# Allegro board R8-DEV-V1.0_FINAL.brd
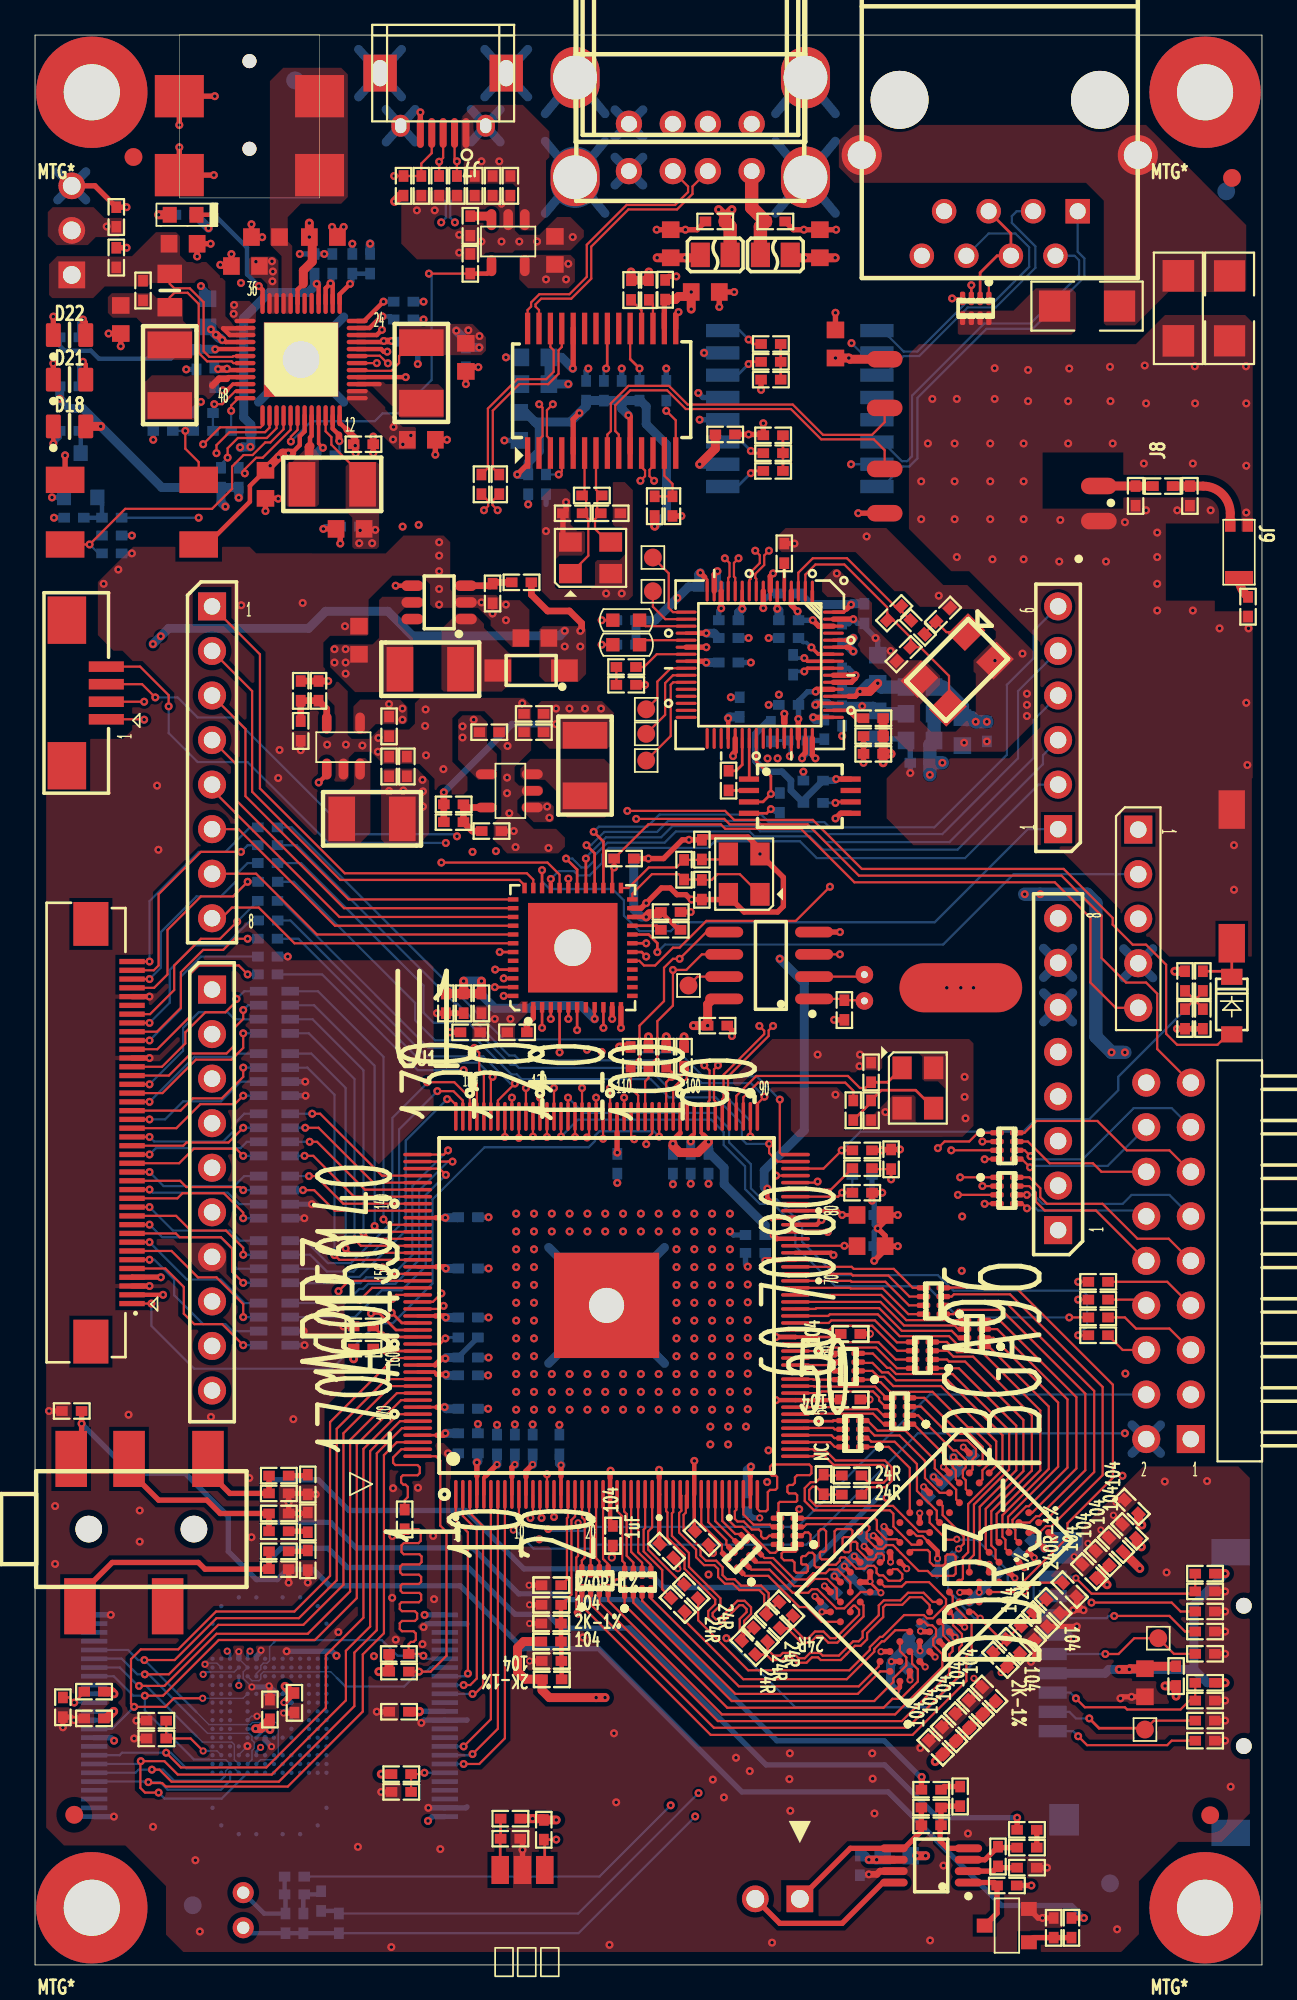
[diagram p0: board, top side]
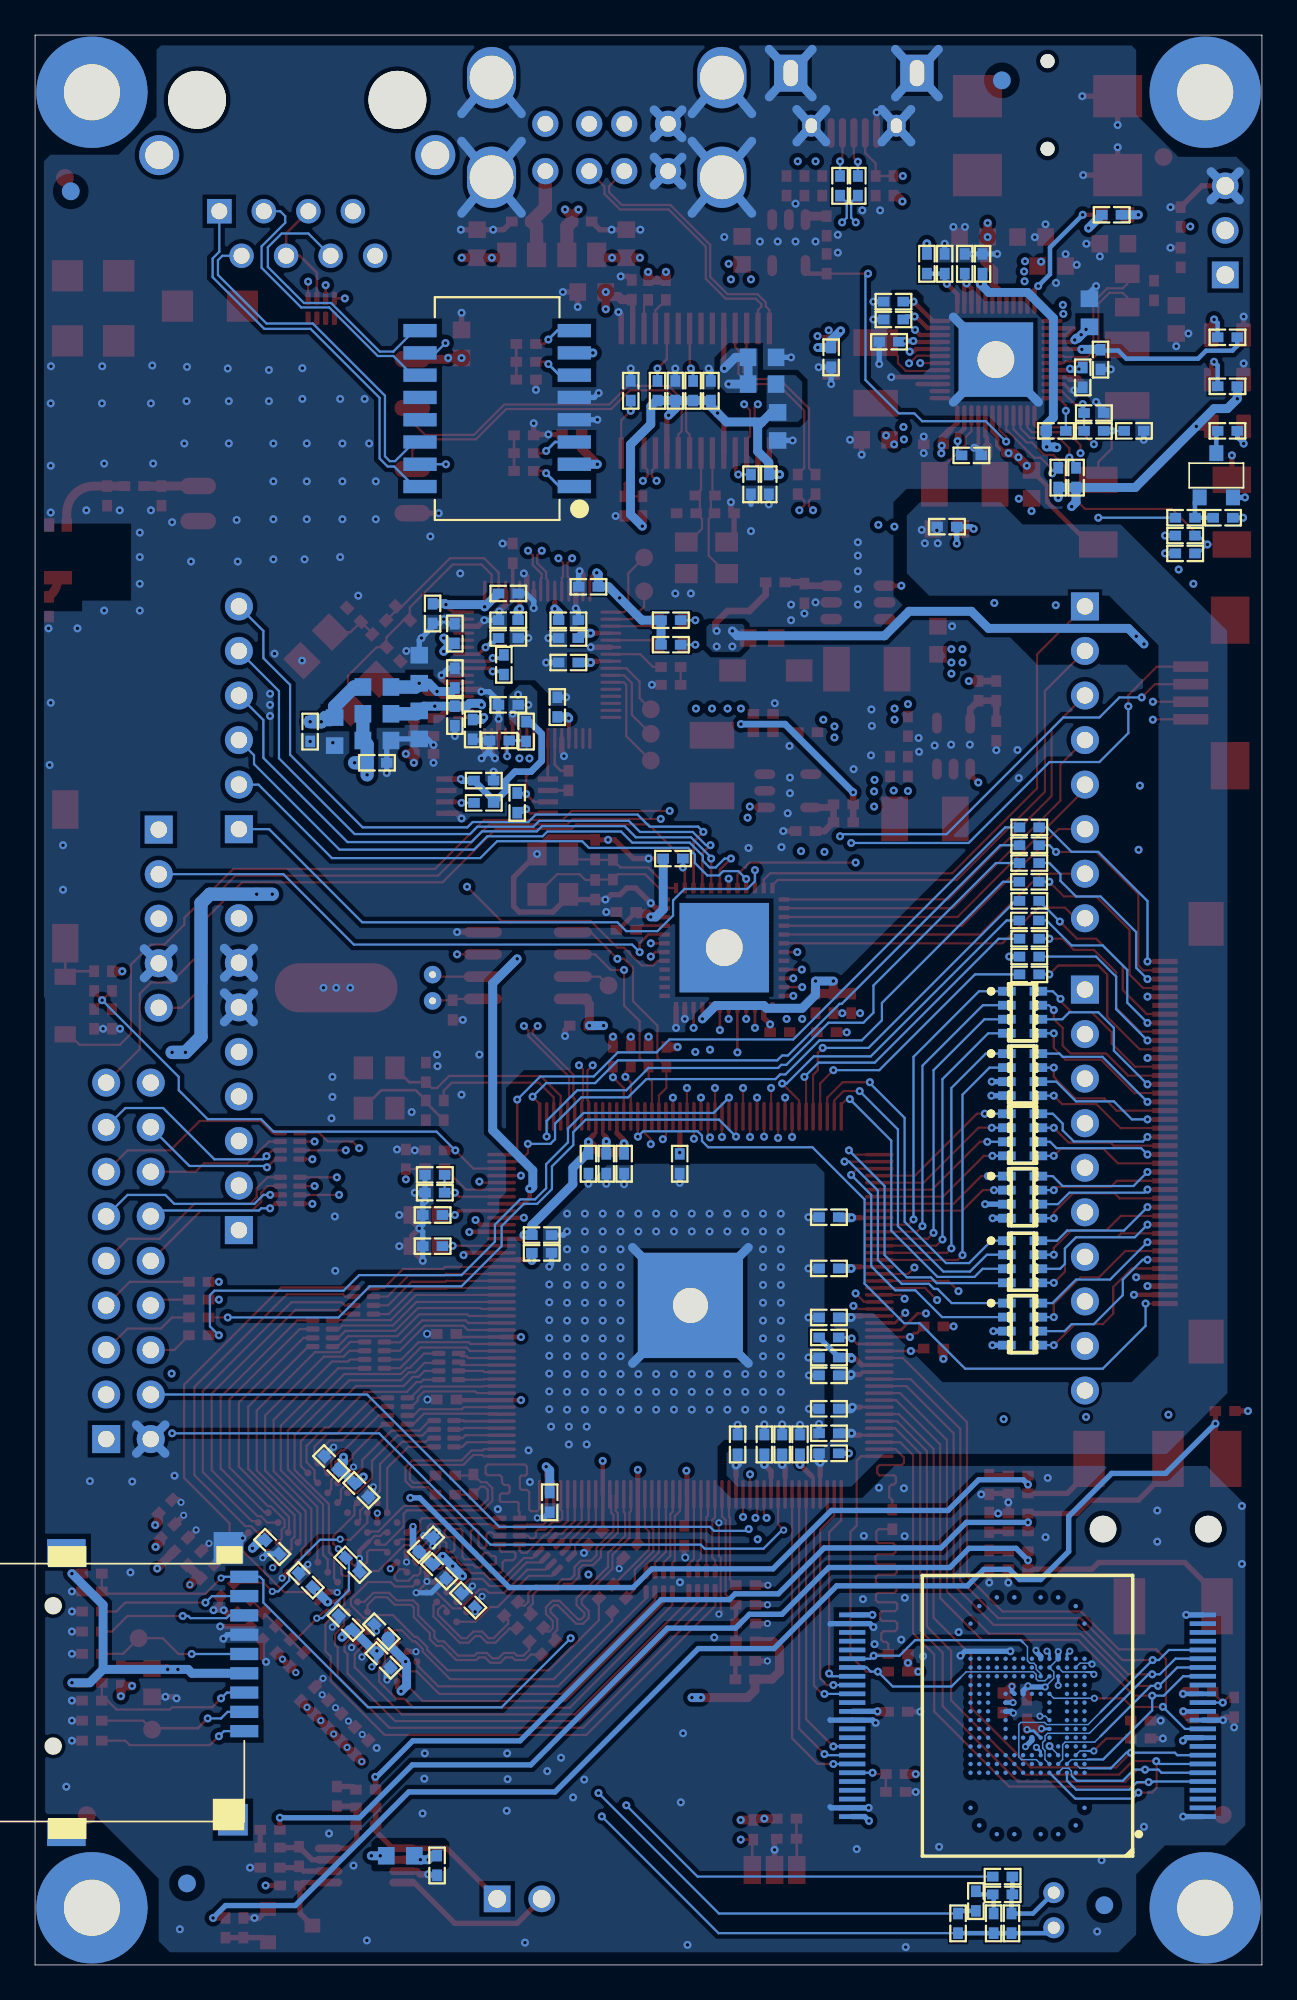
[diagram p1: board, bottom side, seen from below]

Outline 69.98 x 110.02 mm; copper layers: TOP, L2_GND, L3-SIG, L4-SIG, L5_PWR, BOTTOM. Coordinates in mm from the lower left corner of the outline.
Outline path: 0,110.02 0,0 69.98,0 69.98,110.02 0,110.02

## Design rules (mm)
net group A0: nets A0 SA0
net group A1: nets A1 SA1
net group A2: nets A2 SA2
net group A3: nets A3 SA3
net group A4: nets A4 SA4
net group A5: nets A5 SA5
net group A6: nets A6 SA6
net group A7: nets A7 SA7
net group A8: nets A8 SA8
net group A9: nets A9 SA9
net group A10: nets A10 SA10
net group A11: nets A11 SA11
net group A12: nets A12 SA12
net group A13: nets A13 SA13
net group A14: nets A14 SA14
net group BA0: nets BA0 SBA0
net group BA1: nets BA1 SBA1
net group BA2: nets BA2 SBA2
net group CAS: nets CAS SCAS
net group CKE: nets CKE SCKE
net group DP1: nets DM0 DP0
net group DP_ETH: nets ETH-DM ETH-DP
net group DP_HOST1: nets HOST-DM1 HOST-DP1
net group DP_HOST2: nets HOST-DM2 HOST-DP2
net group DP_RXI: nets RXIN RXIP
net group DP_TXO: nets TXON TXOP
net group DP_USB0: nets USB0-DM USB0-DP
net group DP_USB1: nets USB1-DM USB1-DP
net group DP_WIFI3: nets WIFI-DM3 WIFI-DP3
net group DQ0: nets DQ0 SDQ0
net group DQ1: nets DQ1 SDQ1
net group DQ2: nets DQ2 SDQ2
net group DQ3: nets DQ3 SDQ3
net group DQ4: nets DQ4 SDQ4
net group DQ5: nets DQ5 SDQ5
net group DQ6: nets DQ6 SDQ6
net group DQ7: nets DQ7 SDQ7
net group DQ8: nets DQ8 SDQ8
net group DQ9: nets DQ9 SDQ9
net group DQ10: nets DQ10 SDQ10
net group DQ11: nets DQ11 SDQ11
net group DQ12: nets DQ12 SDQ12
net group DQ13: nets DQ13 SDQ13
net group DQ14: nets DQ14 SDQ14
net group DQ15: nets DQ15 SDQ15
net group DSCK: nets DSCK SCK_204080
net group DSCK-N: nets DSCK-N SCK-N
net group HSYNC: nets CSI-HSYNC HSYNC
net group MICM: nets MICM VRA1
net group NRB1-NAND: nets NRB1-N NRB1-NAND
net group ODT: nets ODT SODT
net group PCLK: nets CSI-PCLK PCLK
net group RAS: nets RAS SRAS
net group RST: nets RST SRST
net group SDQM0: nets N17030677 SDQM0
net group SDQM1: nets N17030675 SDQM1
net group SDQS0-N: nets N17030637 SDQS0-N
net group SDQS1: nets N17029739 SDQS1
net group SDQS1-N: nets N17029768 SDQS1-N
net group SWE: nets SWE WE
net group VSYNC: nets CSI-VSYNC VSYNC
net group SDQS0: nets SDQS0

## Placement (name value [footprint] x y rotation side)
C33  1uF  [C0402]  46.51 32.23 180 top
C34  1uF  [C0402]  36.03 23.6 135 top
C35  104  [C0402]  32.96 24.47 90 top
C36  104  [C0402]  46.51 35.97 180 top
C49  4.7uF  [C0402]  38.04 24.34 315 top
C81  104  [C0402]  55.79 18.17 315 top
C82  104  [C0402]  29.44 18.44 0 top
C83  104  [C0402]  56.63 18.93 135 top
C84  104  [C0402]  29.46 17.33 180 top
C85  NC-104  [C0402]  46.93 22.44 225 bottom
C86  NC-104  [C0402]  45.27 20.78 45 bottom
C87  NC-104  [C0402]  56.45 23.83 225 bottom
C88  NC-104  [C0402]  47.69 23.96 135 bottom
C89  NC-104  [C0402]  54.55 21.93 45 bottom
C90  104  [C0402]  62.55 26.12 135 top
C91  104  [C0402]  62.42 24.72 135 top
C92  104  [C0402]  61.66 23.96 135 top
C93  104  [C0402]  60.9 23.2 135 top
C94  104  [C0402]  60.13 22.44 135 top
C95  104  [C0402]  58.08 20.45 315 top
C96  104  [C0402]  51.88 22.82 225 bottom
C97  NC-104  [C0402]  51.37 27.06 225 bottom
C98  NC-104  [C0402]  53.09 28.6 45 bottom
C99  NC-104  [C0402]  52.26 19.51 45 bottom
C100  NC-104  [C0402]  50.1 17.36 225 bottom
C101  NC-104  [C0402]  50.23 19.01 45 bottom
C102  104  [C0402]  54.42 15.45 135 top
C103  104  [C0402]  53.66 14.69 135 top
C104  104  [C0402]  52.89 13.93 135 top
C105  104  [C0402]  52.13 13.16 135 top
C106  104  [C0402]  51.37 12.4 135 top
C109  NC  [C0402]  44.98 27.4 90 top
C142  4.7uF  [C0402]  40.63 26.37 90 bottom
C148  104  [C0402]  29.45 20.53 0 top
C177  1uF  [C0402]  41.08 40.6 180 bottom
C178  1uF  [C0402]  47.18 45.42 180 top
C179  102  [C0402]  47.18 46.44 180 top
C180  104  [C0402]  18.73 36.41 0 top
C181  10uF  [C0603]  47.69 42.76 180 top
C182  104  [C0402]  47.31 42.76 180 bottom
C183  10uF  [C0603]  47.69 40.98 180 top
C184  104  [C0402]  47.31 40.98 180 bottom
C185  4.7uF  [C0402]  47.18 44.03 180 top
C186  104  [C0402]  47.18 44.03 180 bottom
C187  104  [C0402]  41.08 41.61 0 bottom
C188  4.7uF  [C0402]  36.38 45.68 270 bottom
C189  1uF  [C0402]  26.35 29.67 270 bottom
C190  1uF  [C0402]  24.7 34.63 180 bottom
C191  104  [C0402]  38.42 45.68 90 bottom
C192  104  [C0402]  24.7 42.63 180 bottom
C193  4.7uF  [C0402]  24.7 31.71 180 bottom
C194  1uF  [C0402]  24.7 36.91 180 bottom
C195  1uF  [C0402]  24.7 33.61 180 bottom
C196  1uF  [C0402]  28.38 29.67 270 bottom
C197  104  [C0402]  24.7 30.31 180 bottom
C198  104  [C0402]  24.7 29.17 0 bottom
C199  104  [C0402]  27.37 29.67 270 bottom
C200  104  [C0402]  29.91 29.67 270 bottom
C201  1uF  [C0402]  37.4 45.68 90 bottom
C202  104  [C0402]  33.21 45.68 90 bottom
C203  104  [C0402]  24.7 39.71 180 bottom
C204  104  [C0402]  38.92 53.55 180 top
C205  NC  [C0402]  46.16 54.44 90 top
C206  18pF-1%  [C0402]  47.69 50.88 270 top
C207  18pF-1%  [C0402]  47.69 48.72 90 top
C208  47pF  [C0402]  23.88 66.17 0 top
C209  10uF  [C0603]  8.44 98.13 0 top
C210  10uF  [C0603]  12 96.86 0 top
C211  4.7uF  [C0402]  4.63 97.34 270 top
C212  1uF  [C0402]  6.16 95.46 90 top
C213  4.7uF  [C0402]  25.91 70.28 0 top
C214  4.7uF  [C0402]  10.22 90.51 270 bottom
C215  104  [C0402]  28.45 71.32 180 top
C216  4.7uF  [C0402]  28.45 70.28 180 top
C217  10uF  [C0603]  4.89 93.81 270 top
C218  10uF  [C0603]  13.14 84.41 270 top
C219  10uF  [C0603]  17.97 81.87 180 top
C220  102  [C0402]  17.97 82 180 bottom
C221  10uF  [C0603]  13.14 98.51 180 top
C222  47pF  [C0402]  16.17 72.64 270 top
C223  10uF  [C0603]  16.45 98.51 0 top
C224  10uF  [C0603]  24.57 91.65 270 top
C225  102  [C0402]  24.57 91.65 270 bottom
C226  10uF  [C0603]  22.03 86.95 0 top
C227  1uF  [C0402]  15.94 96.98 270 bottom
C228  4.7uF  [C0402]  20.19 70.61 270 top
C229  1uF  [C0402]  16.95 96.98 90 bottom
C230  104  [C0402]  21.21 68.33 90 top
C231  4.7uF  [C0402]  20.19 68.33 90 top
C232  4.7uF  [C0402]  18.73 86.7 0 top
C233  1uF  [C0402]  21.02 94.83 180 bottom
C234  4.7uF  [C0402]  9.21 91.52 90 bottom
C235  4.7uF  [C0402]  21.27 92.54 0 bottom
C236  10uF  [C0603]  9.84 94.19 90 bottom
C237  4.7uF  [C0402]  16.57 86.06 0 bottom
C238  10uF  [C0603]  18.48 75.52 90 top
C239  10uF  [C0603]  28.51 75.65 180 top
C240  102  [C0402]  9.59 88.48 0 bottom
C241  1uF  [C0402]  18.1 96.98 270 bottom
C242  1uF  [C0402]  6.92 12.91 0 top
C243  104  [C0402]  6.92 13.93 0 top
C244  104  [C0402]  13.4 14.56 270 top
C245  104  [C0402]  14.79 14.94 90 top
C246  104  [C0402]  3.36 14.05 0 top
C247  104  [C0402]  20.76 14.43 0 top
C248  104  [C0402]  20.89 9.86 0 top
C249  10uF  [C0603]  63.31 16.09 90 top
C250  10uF  [C0603]  29.65 97.75 90 top
C251  104  [C0402]  27.11 101.43 90 top
C252  4.7uF  [C0402]  26.1 101.43 90 top
C253  1uF  [C0402]  28.13 84.41 270 bottom
C254  104  [C0402]  42.23 99.4 180 top
C255  1uF  [C0402]  31.43 89.75 90 bottom
C256  1uF  [C0402]  33.46 89.75 90 bottom
C257  104  [C0402]  38.8 99.4 0 top
C258  10uF  [C0603]  38.23 95.38 0 top
C259  104  [C0402]  35.94 95.5 270 top
C260  1uF  [C0402]  36.36 83.17 90 top
C261  18pF  [C0402]  30.67 82.76 0 top
C262  18pF  [C0402]  32.83 82.76 180 top
C263  10pf  [C0402]  64.32 84.31 180 top
C264  8pf  [C0402]  69.19 77.44 270 top
C265  10uF  [C0603]  45.66 92.41 90 top
C266  NC  [C0402]  62.77 83.75 270 top
C267  NC  [C0402]  65.87 83.75 270 top
C268  104  [C0402]  27.11 7.2 180 top
C269  3.3pF  [C0402]  43.24 74.12 270 bottom
C270  104  [C0402]  47.81 69.04 0 top
C271  4.7uF  [C0402]  47.81 70.06 0 top
C272  104  [C0402]  44.39 67.52 0 bottom
C273  NC/0.47uF  [C0402]  43.5 69.81 180 bottom
C274  33P  [C0402]  51.79 76.97 225 top
C275  33P  [C0402]  49.54 74.73 45 top
C276  104  [C0402]  54.29 70.31 90 bottom
C277  4.7uF/10V  [C0603]  52.89 70.31 270 bottom
C278  4.7uF/10V  [C0603]  48.07 70.7 270 bottom
C279  104  [C0402]  46.04 71.2 90 bottom
C280  4.7uF/10V  [C0603]  50.48 69.81 0 bottom
C281  104  [C0402]  50.48 68.54 0 bottom
C282  104  [C0402]  41.97 90.38 180 top
C283  4.7uF/10V  [C0603]  48.07 73.87 270 bottom
C284  104  [C0402]  46.04 73.36 270 bottom
C285  104  [C0402]  39.36 87.26 180 top
C286  104  [C0402]  42.99 71.84 180 bottom
C287  104  [C0402]  38.42 78.57 180 bottom
C288  104  [C0402]  46.04 75.9 270 bottom
C289  104  [C0402]  42.99 76.66 180 bottom
C290  104  [C0402]  42.1 87.21 0 top
C291  1000pF/2KV  [C1206]  68.13 94.44 270 top
C292  1000pF/2KV  [C1206]  60.01 94.57 180 top
C293  104  [C0402]  39.56 75.65 180 bottom
C294  104  [C0402]  39.56 74.25 180 bottom
C295  104  [C0402]  40.19 71.71 270 bottom
C296  104  [C0402]  45.02 70.44 90 bottom
C297  104  [C0402]  47.31 77.05 90 bottom
C298  104  [C0402]  39.56 76.66 0 bottom
C299  104  [C0402]  42.99 78.19 0 bottom
C300  104  [C0402]  23.43 54.82 90 top
C301  1uF  [C0402]  24.45 54.82 90 top
C302  104  [C0402]  24.83 53.17 0 top
C303  104  [C0402]  36.26 60.03 180 top
C304  2.2uF  [C0402]  27.49 53.17 180 top
C305  104  [C0402]  33.59 63.08 180 top
C306  104  [C0402]  38.04 61.3 90 top
C307  104  [C0402]  38.04 63.58 270 top
C308  102  [C0402]  65.59 53.93 90 top
C309  104  [C0402]  2.22 82.51 0 bottom
C310  394  [C0402]  56.58 7.7 0 top
C311  4.7uF  [C0402]  17.33 2.37 90 bottom
C312  4.7uF  [C0402]  15.3 2.37 90 bottom
C313  104  [C0402]  14.79 5.04 0 bottom
C314  1uF  [C0402]  56.58 5.54 180 top
C315  332  [C0402]  14.29 2.37 90 bottom
C316  2.2uF  [C0402]  47.05 5.67 90 bottom
C317  102  [C0402]  51.12 8.97 180 top
C318  104  [C0402]  15.56 23.07 270 top
C319  104  [C0402]  15.56 25.23 90 top
C320  104  [C0402]  15.56 27.39 270 top
C321  394  [C0402]  51.12 9.99 0 top
CON1  SPEAKER  [CON2]  41.08 3.77 0 top
D1  NC-LED  [LED0603]  8.44 99.78 0 top
D2  XBS104S14  [SOD123]  30.8 74 180 top
D3  NC-ESD9B5VL-2/TR  [C0402]  7.3 87.46 0 bottom
D4  NC-ESD9B5VL-2/TR  [C0402]  4.38 81.49 0 bottom
D5  NC-ESD9B5VL-2/TR  [C0402]  66.74 19.01 0 top
D6  NC-ESD9B5VL-2/TR  [C0402]  66.74 20.15 0 top
D7  NC-ESD9B5VL-2/TR  [C0402]  66.74 12.78 0 top
D8  NC-ESD9B5VL-2/TR  [C0402]  66.74 13.93 0 top
D9  NC-ESD9B5VL-2/TR  [C0402]  66.74 17.74 0 top
D10  NC-ESD9B5VL-2/TR  [C0402]  66.74 15.07 0 top
D11  NC-ESD9B5VL-2/TR  [C0402]  66.74 21.29 0 top
D12  NC-ESD9B5VL-2/TR  [C0402]  24.07 101.43 270 top
D13  NC-ESD9B5VL-2/TR  [C0402]  23.05 101.43 270 top
D14  NC-ESD9B5VL-2/TR  [C0402]  22.03 101.43 270 top
D15  NC-ESD9B5VL-2/TR  [C0402]  25.08 101.43 270 top
D16  LED-Y  [R0603]  33.72 75.27 0 top
D17  LED-G  [R0603]  33.72 76.66 0 top
D18  USER  [LED0805]  1.97 87.71 0 top
D19  NC-IN4148  [SOD-123]  68.26 54.69 90 top
D20  NC-ESD9B5VL-2/TR  [C0402]  66.61 53.93 270 top
D21  POWER  [LED0805]  1.97 90.38 0 top
D22  WIFI  [LED0805]  1.97 92.92 0 top
D23  NC-ESD9B5VL-2/TR  [C0402]  2.09 31.58 180 top
D24  NC-ESD9B5VL-2/TR  [C0402]  13.91 26.88 0 top
D25  NC-ESD9B5VL-2/TR  [C0402]  13.91 25.74 0 top
D26  NC-ESD9B5VL-2/TR  [C0402]  13.91 22.56 0 top
EC1  10uF  [C0603]  44.77 98.13 90 top
EC2  10uF  [C0603]  36.26 98.13 90 top
EC3  10uF  [C0603]  28.51 91.65 0 bottom
EC4  10uF  [C0603]  27.62 87.71 90 bottom
FB1  600R-100M  [L0603]  28.51 90.13 180 bottom
FB2  600R-100M  [L0603]  49.15 6.22 0 bottom
J1  BATTARY  [CON3]  2.09 101.43 270 top
J2  DC-IN-5V  [DC-0509]  12.23 110.04 270 top
J3  RGB_LCD_RTP_CON40  [FPC40]  2.86 47.45 90 top
J4  OV9655/OV2640  [HEARD2X9]  65.92 29.98 270 top
J5  MICROSD/TF_SLOT  [MICROSD_SLOT]  68.95 15.53 270 bottom
J6  CTP  [FPC4]  4.06 72.52 270 top
J7  USB-MINI-SOCKET  [USB_MINI_AB]  23.28 107.86 180 top
J8  RL-UM12BS-RTL8188EUS  [SOP6P2_00B12_96X_22]  54.57 86.34 90 top
J9  CON3  [ANTENNAPACKAGE]  68.17 82.09 270 top
J10  JUMPER  [R0402]  33.72 74 180 top
J11  IOH  [HEARD1X10]  10.1 55.61 270 top
J12  POWER  [HEARD1X8]  58.36 41.89 90 top
J13  AD  [HEARD1X6]  58.36 64.75 90 top
J14  DEBUG  [HEARD1X5]  62.93 64.73 270 top
J15  IOL  [HEARD1X8]  10.1 77.45 270 top
J16  PJ-327F  [PJ327F]  0.06 24.85 0 top
L1  2.2uH-DCR<0.1R-1.5A/ELL4LG2R2NA  [CD32]  31.37 68.38 270 top
L2  2.2uH-DCR<0.1R-1.5A/ELL4LG2R2NA  [CD32]  7.68 90.63 270 top
L3  2.2uH-DCR<0.1R-1.5A/ELL4LG2R2NA  [CD32]  16.95 84.41 0 top
L4  2.2uH-DCR<0.1R-1.5A/ELL4LG2R2NA  [CD32]  22.03 90.76 90 top
L5  2.2uH-DCR<0.1R-1.5A/ELL4LG2R2NA  [CD32]  19.22 65.34 180 top
L6  2.2uH-DCR<0.1R-1.5A/ELL4LG2R2NA  [CD32]  22.54 73.87 0 top
L7  Tl160808U110T  [L0603]  50.48 72.85 180 bottom
L8  Tl160808U110T  [L0603]  50.48 71.33 0 bottom
LB1  FB  [LBS-0805]  42.23 97.49 180 top
LB2  FB  [LBS-0805]  38.8 97.49 0 top
MIC1  Micphone  [MIC_600X270]  11.87 2.37 90 top
MTG*  VALUE*  [unnamed#3]  3.24 3.26 0 top
MTG*#2  VALUE*  [unnamed#3]  66.74 106.76 0 top
MTG*#3  VALUE*  [unnamed#3]  66.74 3.26 0 top
MTG*#4  VALUE*  [unnamed#3]  3.24 106.76 0 top
NOREF  -  []  27.17 61.5 0 top
NOREF#2  -  []  28.09 86.2 90 top
NOREF#3  -  [unnamed#2]  68.28 101.88 0 top
NOREF#4  -  []  39.22 84.28 0 top
NOREF#5  -  []  27.22 87.1 90 top
NOREF#6  -  []  11.16 77.57 90 top
NOREF#7  -  []  1.81 68.37 0 top
NOREF#8  -  []  4.06 73.02 90 top
NOREF#9  -  []  1.81 76.67 0 top
NOREF#10  -  []  48.02 84.28 90 top
NOREF#11  -  [unnamed#2]  5.61 103.07 0 top
NOREF#12  -  []  0 110.02 0 top
NOREF#13  -  []  4.06 71.02 90 top
NOREF#14  -  [unnamed#2]  2.24 8.56 0 top
NOREF#15  -  []  47.12 82.38 90 top
NOREF#16  -  [unnamed#2]  67.03 8.53 0 top
NOREF#17  -  []  1.06 80.57 0 top
NOREF#18  -  []  27.27 60.25 90 top
NOREF#19  -  []  48.02 84.28 90 top
NOREF#20  -  []  0 0 90 top
NOREF#21  -  []  35.9 93.3 0 top
NOREF#22  -  []  4.06 72.02 90 top
NOREF#23  -  []  27.17 54.5 90 top
NOREF#24  -  []  27.22 92.4 0 top
NOREF#25  -  []  69.99 51.57 270 top
NOREF#26  -  []  60.9 13.95 90 top
NOREF#27  -  []  40.12 82.38 0 top
NOREF#28  -  [unnamed#2]  61.32 4.65 180 bottom
NOREF#29  -  [unnamed#2]  14.83 107.44 180 bottom
NOREF#30  -  [unnamed#2]  8.99 3.4 180 bottom
NOREF#31  -  [unnamed#2]  67.94 101.12 180 bottom
P1  Double USB A-type female connector (90-degree bend pins)  [GXK-12USB]  37.37 102.27 180 top
Q1  MMBT3904  [SOT-23]  2.6 84.92 90 bottom
Q2  MMBT3904  [SOT-23]  55.43 2.24 180 top
R65  24R  [R0402]  46.58 27.9 0 top
R68  24R  [R0402]  46.58 26.81 0 top
R71  240R-1%  [R0402]  59.02 21.39 135 top
R72  24R  [R0402]  40.7 18.09 315 top
R73  24R  [R0402]  41.39 18.83 315 top
R74  24R  [R0402]  42.1 19.59 315 top
R75  24R  [R0402]  42.84 20.3 315 top
R76  24R  [R0402]  37.43 21.29 315 top
R77  24R  [R0402]  36.66 20.53 315 top
R86  2K-1%  [R0402]  55.05 17.41 315 top
R89  2K-1%  [R0402]  29.48 16.28 180 top
R90  2K-1%  [R0402]  57.34 19.69 135 top
R91  2K-1%  [R0402]  29.44 19.46 0 top
R94  240R-1%  [R0402]  29.45 21.65 0 top
R95  0R  [R0402]  48.83 45.93 270 top
R96  200K-1%  [R0402]  47.18 45.04 180 bottom
R97  2K  [R0402]  24.7 35.77 180 bottom
R98  2K  [R0402]  18.73 35.14 0 top
R99  2K  [R0402]  36 51.77 270 top
R100  2K  [R0402]  37.02 51.77 270 top
R101  2K  [R0402]  33.97 51.77 270 top
R102  2K  [R0402]  34.99 51.77 270 top
R103  0R  [R0402]  46.67 48.72 90 top
R104  100K-1%  [R0402]  26.04 64.64 180 top
R105  150K-1%  [R0402]  23.88 65.15 180 top
R106  NC/100R  [R0402]  4.63 99.65 270 top
R108  0R03  [R0805]  7.68 95.46 270 top
R109  100K-1%  [R0402]  15.15 70.35 90 top
R110  442K-1%  [R0402]  15.15 72.64 90 top
R111  10K  [R0402]  11.62 84.79 270 bottom
R112  10K  [R0402]  10.6 84.79 270 bottom
R113  NC-1K  [R0402]  8.57 99.78 180 bottom
R114  200K-1%  [R0402]  21.02 93.81 180 bottom
R115  47K  [R0402]  11.75 87.46 0 bottom
R116  1M-1%  [R0402]  27.75 78.82 0 top
R117  1K  [R0402]  9.59 87.46 180 bottom
R118  47K  [R0402]  19.11 96.98 90 bottom
R119  133K-1%  [R0402]  26.1 78.19 90 top
R120  510R  [R0402]  4.38 80.47 0 bottom
R121  NC-0R  [R0402]  3.36 15.58 180 top
R122  33R  [R0402]  21.08 25.4 270 top
R123  NC-0R  [R0402]  1.59 14.69 270 top
R124  10K  [R0402]  20.76 16.72 0 top
R125  10K  [R0402]  20.75 17.73 0 top
R126  10K  [R0402]  20.89 10.88 0 top
R127  0R  [R0402]  60.64 36.91 0 top
R128  0R  [R0402]  60.64 35.9 0 top
R129  0R  [R0402]  60.64 38.95 0 top
R130  0R  [R0402]  60.64 37.93 180 top
R131  33R  [R0402]  13.27 56.47 0 bottom
R132  33R  [R0402]  13.27 58.5 0 bottom
R133  33R  [R0402]  13.28 59.55 0 bottom
R134  33R  [R0402]  13.27 60.66 0 bottom
R135  NC-0R  [R0402]  13.28 61.75 180 bottom
R136  2R2  [R0402]  65.09 16.47 90 top
R137  NC-0R  [R0402]  13.27 62.82 180 bottom
R138  47K  [R0402]  66.74 22.31 180 top
R139  NC-0R  [R0402]  13.27 63.84 180 bottom
R140  47K  [R0402]  66.74 16.09 180 top
R141  NC-0R  [R0402]  13.27 64.85 0 bottom
R142  47K  [R0402]  13.27 57.49 0 bottom
R143  0R  [R0402]  24.07 101.43 270 bottom
R144  10K  [R0402]  21.02 101.43 270 top
R145  0R  [R0402]  23.05 101.43 270 bottom
R146  510K  [R0402]  24.83 96.98 270 top
R147  6K8-1%  [R0402]  24.83 99.14 90 top
R148  0R-1%  [R0402]  26.48 84.41 270 top
R149  0R-1%  [R0402]  25.46 84.41 270 top
R150  680R  [R0402]  29.15 84.41 90 bottom
R151  10K  [R0402]  32.45 89.75 270 bottom
R152  10K  [R0402]  34.48 89.75 270 bottom
R153  100K  [R0402]  34 95.49 270 top
R154  4K7  [R0402]  35.01 95.49 270 top
R155  10K  [R0402]  36 89.75 270 bottom
R156  10K  [R0402]  35.34 83.17 270 top
R157  NC  [R0402]  31.76 83.78 180 top
R158  33R  [R0402]  27.11 8.34 0 top
R159  10K  [R0402]  29.02 7.7 270 top
R160  4K7  [R0402]  47.81 71.08 180 top
R161  330  [R0402]  33.72 75.27 180 bottom
R162  12K1-1%  [R0402]  42.99 75.65 0 bottom
R163  12K1-1%  [R0402]  42.73 80.47 270 top
R164  4K7  [R0402]  33.72 72.98 180 top
R165  22  [R0402]  42.48 66.25 90 bottom
R166  4K7  [R0402]  44.39 66.25 0 bottom
R167  22  [R0402]  39.56 67.52 90 top
R168  1M  [R0402]  49 77.06 225 top
R169  NC/39K  [R0402]  41.97 70.31 270 bottom
R170  330  [R0402]  33.72 76.66 0 bottom
R171  0R  [R0402]  50.35 76.26 315 top
R172  49R9  [R0402]  41.97 91.4 180 top
R173  49R9  [R0402]  41.97 92.41 180 top
R174  49R9  [R0402]  42.1 86.19 0 top
R175  49R9  [R0402]  42.1 85.17 0 top
R176  1M  [R1206]  65.21 94.44 90 top
R177  0R  [R0402]  25.46 54.82 270 top
R178  10K  [R0402]  33.59 63.08 180 bottom
R179  1M  [R0402]  37.02 62.44 90 top
R180  10K  [R0402]  36.26 59.01 180 top
R181  100K-1%  [R0402]  65.59 56.09 270 top
R182  10K-1%  [R0402]  66.61 56.09 90 top
R183  20K  [R0402]  1.97 90 180 bottom
R184  20K  [R0402]  1.97 92.79 0 bottom
R185  1K  [R0402]  1.97 87.46 0 bottom
R186  2K2  [R0402]  4.38 82.51 0 bottom
R187  20K  [R0402]  56.58 6.69 180 top
R188  2K  [R0402]  16.32 3.64 90 bottom
R189  4K3  [R0402]  14.79 4.02 0 bottom
R190  10K  [R0402]  55.43 4.53 180 top
R191  20K  [R0402]  54.93 6.18 90 top
R192  20K  [R0402]  59.12 2.12 270 top
R193  24R  [R0402]  13.91 23.58 0 top
R194  24R  [R0402]  13.91 24.72 0 top
R195  24R  [R0402]  13.91 27.9 0 top
R196  510K  [R0402]  58.1 2.12 90 top
R197  33K  [R0402]  51.12 7.96 180 top
R198  20K  [R0402]  52.77 9.61 270 top
RN1  0R*4  [RCA50-8]  42.91 24.72 180 top
RN3  0R*4  [RCA50-8]  31.94 21.9 90 top
RN4  33R*4  [RCA50-8]  46.65 30.28 180 top
RN5  0R*4  [RCA50-8]  40.32 23.43 135 top
RN6  0R*4  [RCA50-8]  34.38 21.83 90 top
RN15  33R*4  [RCA50-8]  49.31 31.58 180 top
RN16  33R*4  [RCA50-8]  46.39 34.12 180 top
RN17  33R*4  [RCA50-8]  50.62 34.77 180 top
RN18  33R*4  [RCA50-8]  53.58 36 180 top
RN19  33R*4  [RCA50-8]  51.24 37.85 180 top
RN20  0R*4  [RCA50-8]  55.43 46.69 0 top
RN21  100R*4  [RCA80-8]  13.65 36.53 180 bottom
RN22  0R*4  [RCA50-8]  55.43 44.15 0 top
RN23  100R*4  [RCA80-8]  13.65 40.09 180 bottom
RN24  100R*4  [RCA80-8]  13.65 43.77 180 bottom
RN25  100R*4  [RCA80-8]  13.65 47.33 180 bottom
RN26  100R*4  [RCA80-8]  13.65 50.76 180 bottom
RN27  100R*4  [RCA80-8]  13.65 54.31 180 bottom
RN28  75  [RCA50-8]  53.66 94.44 270 top
SW1  PWRON  [KEY-2]  9.97 84.67 90 top
SW2  RESET  [KEY-2]  9.97 80.98 90 top
SW3  SW  [KEY-2]  68.26 66.5 180 top
T1  -  [H1102NL]  43.62 88.73 90 bottom
T2  C10001-108A4  [RJ45-A]  55.03 106.33 0 top
TP1  32K  [TP_SMD]  37.27 55.84 270 top
TP2  UART0-TX  [TP_SMD]  64.07 18.63 0 top
TP3  UART0-RX  [TP_SMD]  63.31 13.42 0 top
TP4  TP  [TP_SMD]  34.86 68.66 0 top
TP5  TP  [TP_SMD]  34.86 70.19 0 top
TP6  TP  [TP_SMD]  34.86 71.58 0 top
TP7  TP  [TP_SMD]  35.24 78.32 0 top
TP8  TP  [TP_SMD]  35.24 80.24 0 top
U1  APP3  [TQFP177P0_4]  32.6 37.6 90 top
U29  DDR3-FBGA96  [FBGA96C80P9X13]  51.31 22.67 135 top
U31  PCF8563/AT8563  [SO8N]  41.97 56.98 90 top
U32  AP3410/SY8088  [SOT23-5]  27.11 66.94 180 top